# Altium PCB Wheel.PcbDoc
Units mm, origin at the board's own origin, x right, y up, seen from the top; angles counter-clockwise.
Board outline 32.65 x 20.4 mm, 2 copper layers (Top Layer, Bottom Layer), stack 0.571 mm thick; 51 components, 39 nets, 228 pads, 57 vias.
Unrouted connection lines stored in the file: 1.
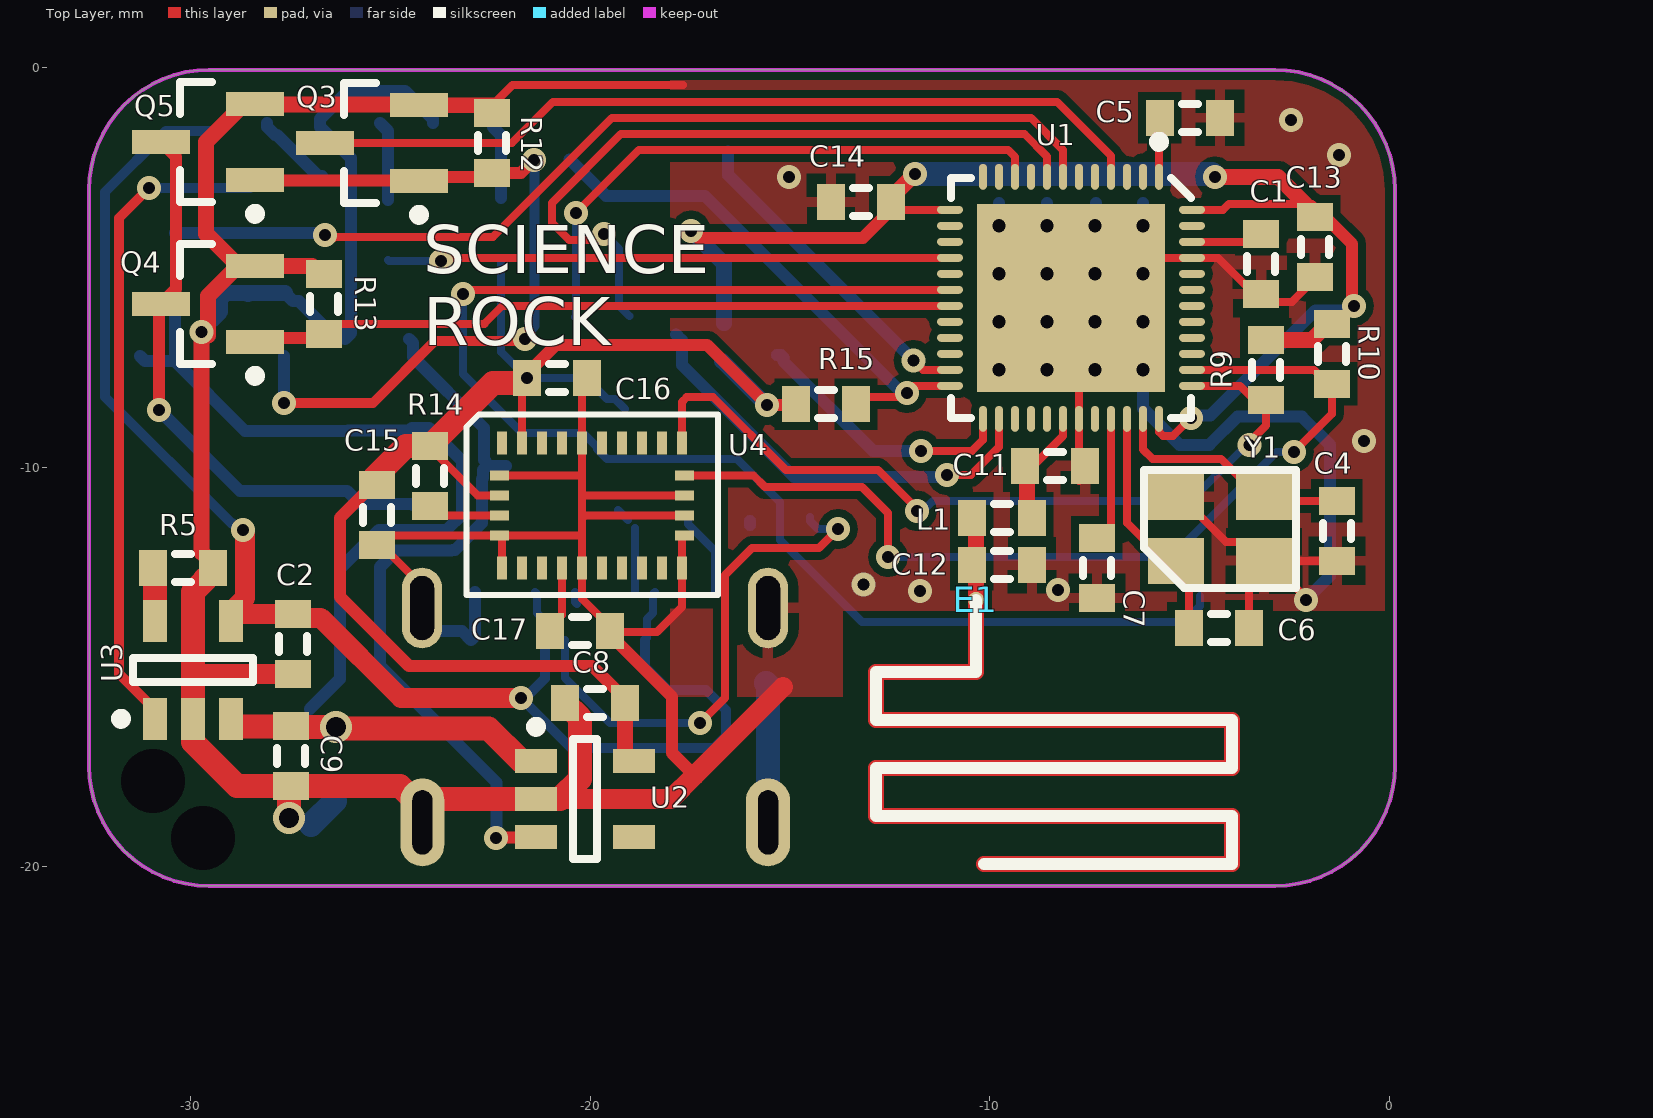
[diagram p0: Top Layer view]
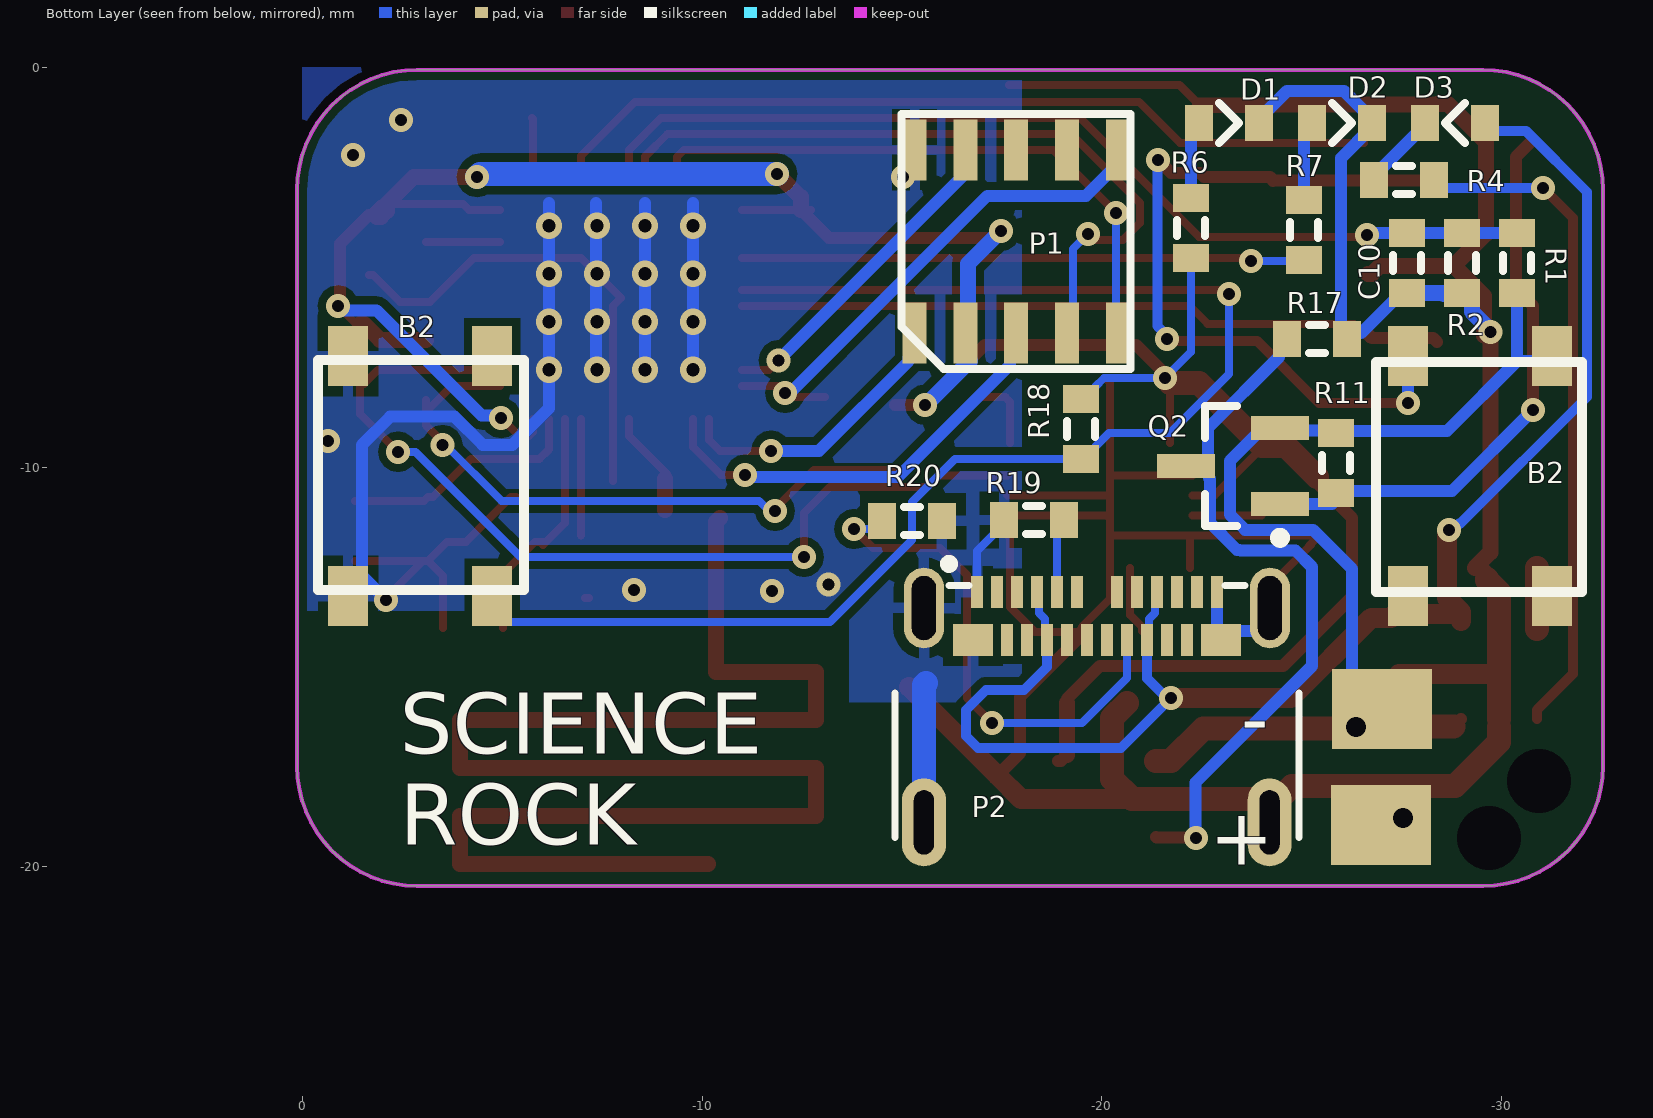
[diagram p1: Bottom Layer view, seen from below]
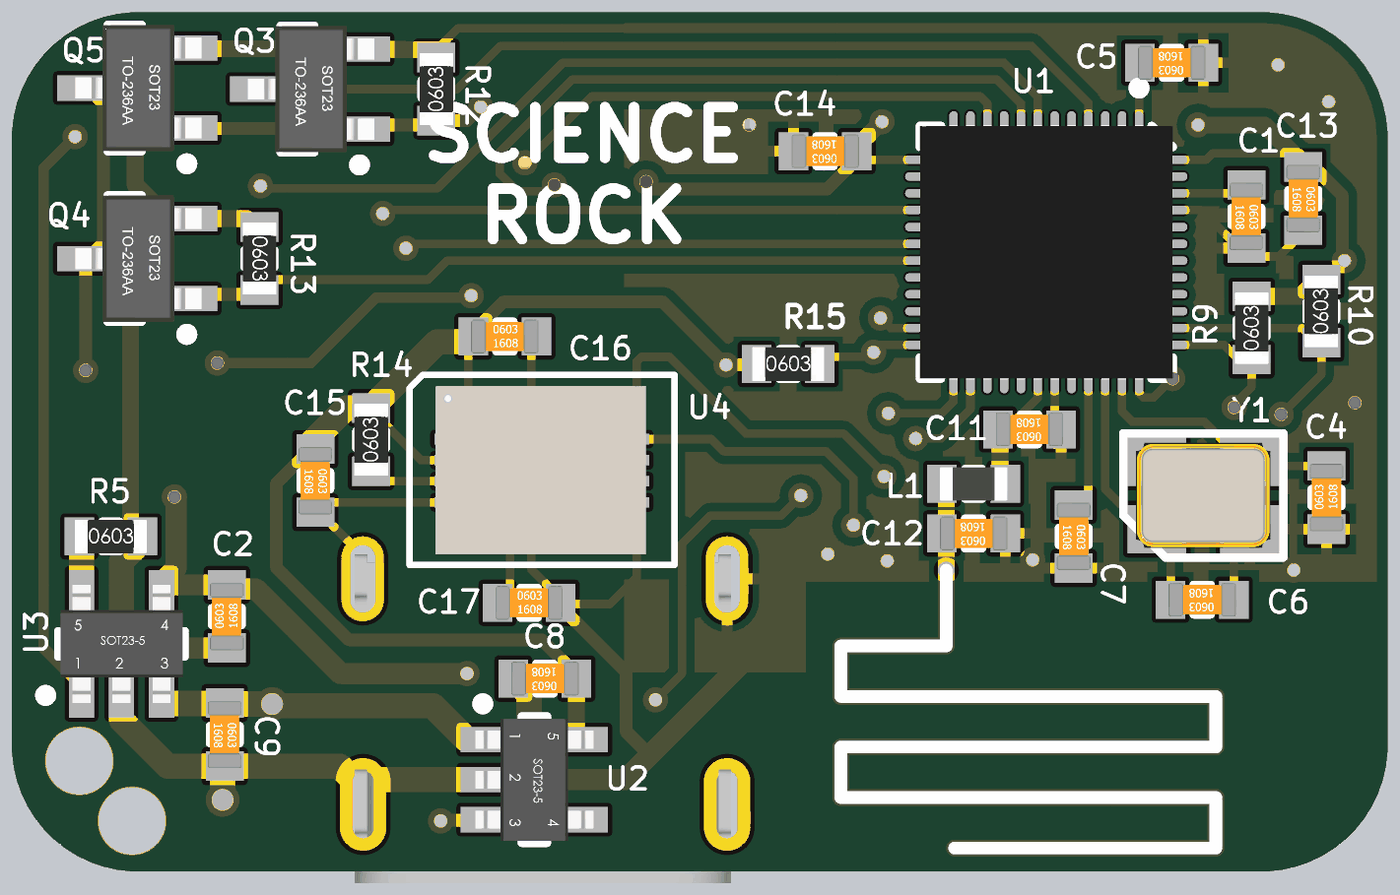
[diagram p2: 3D render of the assembled board from above, using the file's embedded part models]
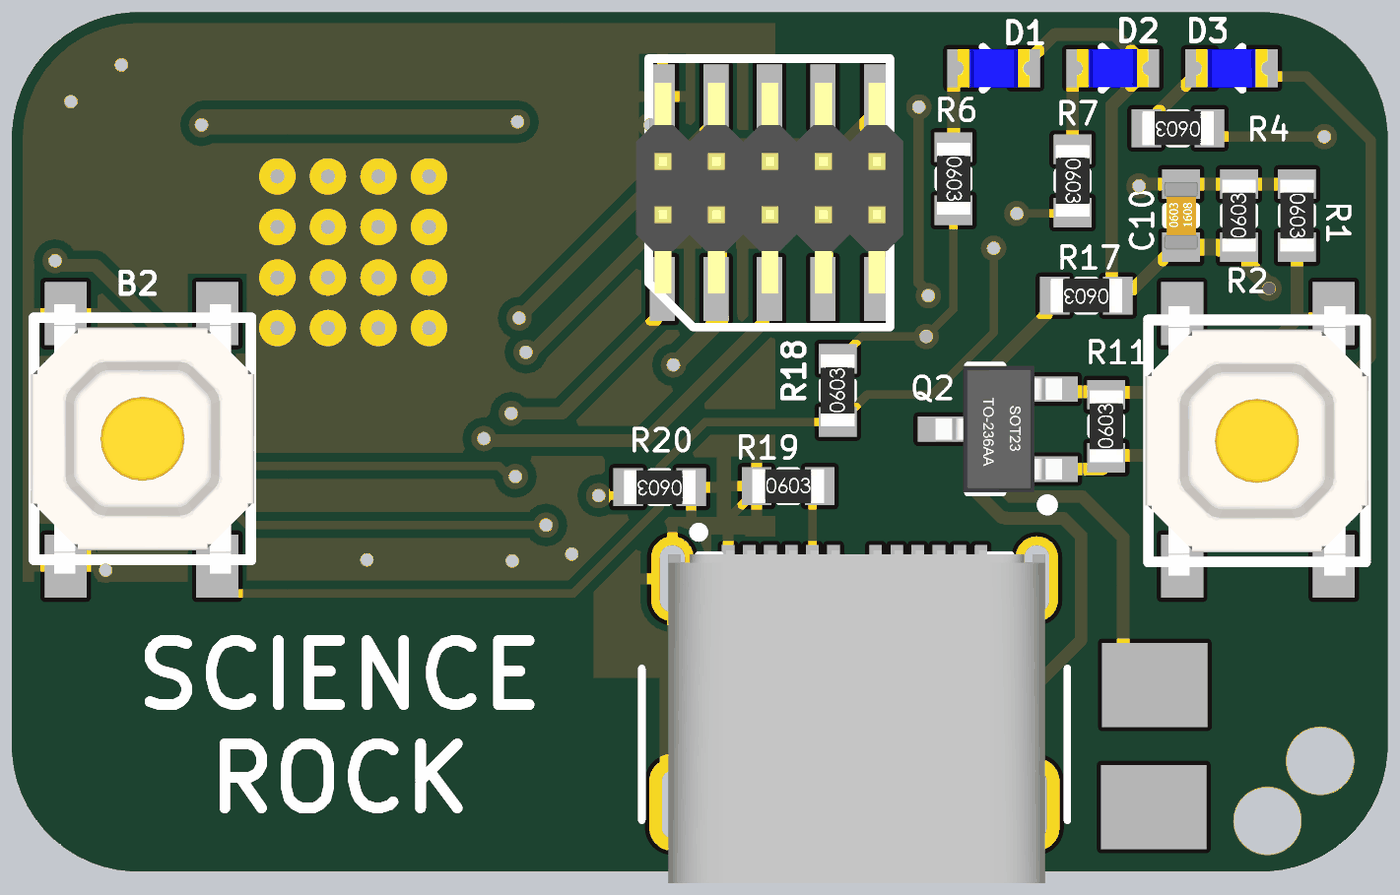
[diagram p3: 3D render of the assembled board from below, using the file's embedded part models]

## Layer stack, top to bottom
Top Solder: solder mask 0.0102, Solder Resist, Dk 3.5
Top Layer: signal copper 0.0356
Dielectric 1: dielectric 0.5, FR-4, Dk 4.8
Bottom Layer: signal copper 0.0356
Bottom Solder: solder mask 0.0102, Solder Resist, Dk 3.5

## Board outline
-29.525,-20.475 cw(c-29.525,-17.475) -32.525,-17.475 -32.525,-3.07 cw(c-29.525,-3.07) -29.525,-0.07 -2.875,-0.07 cw(c-2.875,-3.07) 0.125,-3.07 0.125,-17.475 cw(c-2.875,-17.475) -2.875,-20.475 -20.775,-20.475

## Design rules (kind name [scope] priority, off if disabled: settings)
Clearance [All] p1: gap=0.2 ignorepadtopadclearanceinfootprint=FALSE except(0: Arc-Hole Track-Hole SMDPad-Hole THPad-Hole Via-Hole Fill-Hole Poly-Hole Region-Hole Text-Hole)
ComponentClearance [All] p1: gap=-10 collisioncheckmode=3 verticalgap=0.254 showdistances=FALSE
PlaneConnect [All] p1: pad.planeconnectstyle=Relief pad.reliefexpansion=0.508 pad.reliefentries=4 pad.reliefconductorwidth=0.254 pad.reliefairgap=0.15 via.planeconnectstyle=Direct via.reliefexpansion=0.508 via.reliefentries=4 via.reliefconductorwidth=0.254 via.reliefairgap=0.15
PolygonConnect [All] p1: thpad.connectstyle=Relief thpad.reliefconductorwidth=0.254 thpad.reliefentries=4 thpad.polygonreliefangle="90 Angle" thpad.airgapwidth=0.254 smdpad.connectstyle=Relief smdpad.reliefconductorwidth=0.254 smdpad.reliefentries=4 smdpad.polygonreliefangle="90 Angle" smdpad.airgapwidth=0.254 via.connectstyle=Direct via.reliefconductorwidth=0.254 via.reliefentries=4 via.polygonreliefangle="90 Angle" via.airgapwidth=0.254
RoutingVias [All] p1: holewidth=3 width=1.27 viastyle="Through Hole" minholewidth=0.3 minwidth=0.9 maxholewidth=3 maxwidth=3
SolderMaskExpansion [All] p1: expansion=0.102 istentingtop=FALSE
Width [All] p1: maxlimit=2 minlimit=0.2 preferedwidth=0.3 minimp=50.000000 maximp=50.000000 favimp=50.000000
28 further rules are at their usual default settings.

## Components (designator, comment, footprint, x,y, rotation, side; value= is the part's Value field where it differs from the comment)
B2 "LEFT" Button_thin -2.95,-10.225 r0 bottom
B2 "RIGHT" Button_thin -29.45,-10.225 r180 bottom
C1 "ceram" cap_0603 -3.225,-5.67 r270 top value="1 uF"
C2 "ceram" cap_0603 -27.425,-13.67 r90 top value=4.7uF
C4 "ceram" cap_0603 -1.325,-10.845 r90 top value="12 pF"
C5 "ceram" cap_0603 -5.75,-1.27 r180 top value="0.1 uF"
C6 "ceram" cap_0603 -5.025,-14.02 r180 top value="12 pF"
C7 "ceram" cap_0603 -7.325,-13.27 r270 top value="0.1 uF"
C8 "ceram" cap_0603 -20.625,-15.895 r180 top value="4.7 uF"
C9 "ceram" cap_0603 -27.475,-17.975 r270 top value="4.7 uF"
C10 "ceram" cap_0603 -27.625,-4.15 r90 bottom value=0.1uF
C11 "ceram" cap_0603 -9.125,-9.975 r180 top value="0.8 pF"
C12 "ceram" cap_0603 -10.45,-12.448 r180 top value="1.2 pF"
C13 "ceram" cap_0603 -1.875,-5.245 r270 top value="1 uF"
C14 "ceram" cap_0603 -13.975,-3.37 r180 top value="1 uF"
C15 "ceram" cap_0603 -25.325,-11.945 r270 top value="0.1 uF"
C16 "ceram" cap_0603 -20.075,-7.77 r0 top value="6.8 nF"
C17 "ceram" cap_0603 -19.5,-14.095 r0 top value="0.1 uF"
D1 "led_0603" led_0603 -23.175,-1.4 r180 bottom value=Red
D2 "Blue" led_0603 -26,-1.4 r180 bottom
D3 "Yellow" led_0603 -28.825,-1.4 r0 bottom
E1 "Antenna" WBx5_ANT -13.675,-13.595 r0 top
L1 "Ind" "IND SMD 0603" -8.95,-11.27 r0 top value="3.9 nH"
P1 "Jtag" FTSH-105-01-F-DV-K -15.315,-6.645 r180 bottom
P2 "USB_C" USB_C_FULL -15.55,-13.525 r180 bottom
Q2 "sot23" sot23 -23.275,-9.97 r90 bottom
Q3 "sot23" sot23 -25.45,-1.895 r90 top
Q4 "sot23" sot23 -29.55,-5.92 r90 top
Q5 "sot23" sot23 -29.55,-1.87 r90 top
R1 "Res3" res_0603 -30.375,-5.65 r270 bottom value=300K
R2 "Res3" res_0603 -29,-4.15 r90 bottom value=300K
R4 "res_0603" res_0603 -26.8,-2.825 r0 bottom value=3K3
R5 "res_0603" res_0603 -29.425,-12.52 r0 top value=3K3
R6 "res_0603" res_0603 -22.225,-4.775 r270 bottom value=3K3
R7 "res_0603" res_0603 -25.05,-4.825 r270 bottom value=3K3
R9 "res_0603" res_0603 -3.1,-6.82 r90 top value=10K
R10 "res_0603" res_0603 -1.45,-6.42 r90 top value=10K
R11 "Res3" res_0603 -25.85,-9.15 r90 bottom value=300K
R12 "Res3" res_0603 -22.45,-1.145 r90 top value=100K
R13 "Res3" res_0603 -26.65,-6.67 r270 top value=300K
R14 "res_0603" res_0603 -24,-9.47 r90 top value=10K
R15 "res_0603" res_0603 -13.35,-8.425 r0 top value=3K3
R17 "Res3" res_0603 -24.625,-6.8 r0 bottom value=300K
R18 "res_0603" res_0603 -19.475,-8.3 r90 bottom value=10K
R19 "res_0603" res_0603 -19.05,-11.325 r180 bottom value=5K1
R20 "res_0603" res_0603 -14.5,-11.35 r0 bottom value=5K1
U1 "nRF52832-QFAAE0" QFN48N -7.975,-5.77 r270 top
U2 "AP7343-33W5-7" sot23-5 -20.125,-18.295 r0 top
U3 "Charger" sot23-5 -29.925,-15.07 r90 top
U4 "BNO-055" LGA-28 -17.7,-9.395 r0 top
Y1 "Crystal Oscillator" TSX-3225 -5.35,-12.345 r0 top value="32 MHz"

## Footprints (in the part's own frame and the unit in brackets; to place one, negate y for a bottom-side part, rotate by r counter-clockwise, add the part's x,y. Pads: shape width x height; smd on the part's side, far side on the other; paste and mask are expansions set on the pad)
Button_thin [mm]
  rect 1x1.5 smd: 1(-1.8,-3) 1(-1.8,3) 2(1.8,-3) 2(1.8,3)
  silkscreen extent -2.6,-2.9 2.55,2.85, body extent -2.67,-3.22 2.63,3.18, height 1.5
cap_0603 [mm]
  rect 0.7x0.9 smd: 1(0,0) 2(-1.5,0)
  silkscreen extent -0.95,-0.35 -0.55,0.35, body extent -1.55,-0.4 0.05,0.4, height 0.8
FTSH-105-01-F-DV-K [mm] "cc1310 Jtag 10 pin header"
  rect 0.6x1.524 smd: 1(0,0) 2(0,4.575) 3(1.27,0) 4(1.27,4.575) 5(2.54,0) 6(2.54,4.575) 7(3.81,0) 8(3.81,4.575) 9(5.08,0) 10(5.08,4.575)
  silkscreen extent -0.33,-0.9 5.4,5.48, body extent -0.63,-0.1 5.72,4.9, height 3.9
"IND SMD 0603" [mm]
  rect 0.7x0.9 smd: 1(0,0) 2(-1.5,0)
  silkscreen extent -0.95,-0.35 -0.55,0.35, body extent -1.55,-0.4 0.05,0.4, height 0.8
led_0603 [mm]
  rect 0.7x0.9 smd: 1(0.752,0) 2(-0.748,0)
  silkscreen extent -0.25,-0.5 0.25,0.5, body extent -0.85,-0.45 0.85,0.45, height 0.9
LGA-28 [mm]
  rect 0.25x0.575 smd: 1(-4.5,0) 6(-4.5,-3.125) 7(-4,-3.125) 8(-3.5,-3.125) 9(-3,-3.125) 10(-2.5,-3.125) 11(-2,-3.125) 12(-1.5,-3.125) 13(-1,-3.125) 14(-0.5,-3.125) 15(0,-3.125) 20(0,0) 21(-0.5,0) 22(-1,0) 23(-1.5,0) 24(-2,0) 25(-2.5,0) 26(-3,0) 27(-3.5,0) 28(-4,0)
  rect 0.475x0.25 smd: 2(-4.562,-0.813) 3(-4.562,-1.313) 4(-4.562,-1.813) 5(-4.562,-2.313) 16(0.062,-2.313) 17(0.062,-1.813) 18(0.062,-1.313) 19(0.062,-0.813)
  silkscreen extent -5.39,-3.8 0.9,0.71, body extent -4.78,-3.55 0.23,0.45, height 1.12
QFN48N [mm] "NRF52"
  oval 0.65x0.2 smd mask+0.05: 1(-3.025,2.2) 2(-3.025,1.8) 3(-3.025,1.4) 4(-3.025,1) 5(-3.025,0.6) 6(-3.025,0.2) 7(-3.025,-0.2) 8(-3.025,-0.6) 9(-3.025,-1) 10(-3.025,-1.4) 11(-3.025,-1.8) 12(-3.025,-2.2) 25(3.025,-2.2) 26(3.025,-1.8) 27(3.025,-1.4) 28(3.025,-1) 29(3.025,-0.6) 30(3.025,-0.2) 31(3.025,0.2) 32(3.025,0.6) 33(3.025,1) 34(3.025,1.4) 35(3.025,1.8) 36(3.025,2.2)
  oval 0.2x0.65 smd mask+0.05: 13(-2.2,-3.025) 14(-1.8,-3.025) 15(-1.4,-3.025) 16(-1,-3.025) 17(-0.6,-3.025) 18(-0.2,-3.025) 19(0.2,-3.025) 20(0.6,-3.025) 21(1,-3.025) 22(1.4,-3.025) 23(1.8,-3.025) 24(2.2,-3.025) 37(2.2,3.025) 38(1.8,3.025) 39(1.4,3.025) 40(1,3.025) 41(0.6,3.025) 42(0.2,3.025) 43(-0.2,3.025) 44(-0.6,3.025) 45(-1,3.025) 46(-1.4,3.025) 47(-1.8,3.025) 48(-2.2,3.025)
  rect 4.7x4.7 smd: 49(0,0)
  silkscreen extent -4.02,-3 3,3, body extent -3.02,-3.02 3.02,3.02, height 1
res_0603 [mm]
  rect 0.7x0.9 smd: 1(0,0) 2(-1.5,0)
  silkscreen extent -0.95,-0.35 -0.55,0.35, body extent -1.6,-0.4 0.1,0.4, height 0.56
sot23 [mm]
  rect 0.6x1.45 smd: 1(-0.95,-1.175) 2(0.95,-1.175) 3(0,1.175)
  silkscreen extent -1.92,-1.3 1.5,0.7, body extent -1.5,-1.52 1.5,1.48, height 1.3
sot23-5 [mm]
  rect 1.05x0.6 smd: 1(-1.225,0.95) 2(-1.225,0) 3(-1.225,-0.95) 4(1.225,-0.95) 5(1.225,0.95)
  silkscreen extent -1.35,-1.5 0.3,1.92, body extent -1.4,-1.45 1.4,1.45, height 1.14
TSX-3225 [mm] "quartz 24MHz  TSX-3225 24.0000MF15X-AC3"
  rect 1.4x1.15 smd: 1(0,0) 2(2.2,1.6) 3(0,1.6) 3(2.2,0)
  silkscreen extent -0.8,-0.67 3,2.27, body extent -0.5,-0.45 2.7,2.05, height 0.6
USB_C_FULL [mm]
  rect 0.3x0.8 smd: A1(1.325,0.4) A2(1.825,0.4) A3(2.325,0.4) A4(2.825,0.4) A5(3.325,0.4) A6(3.825,0.4) A7(4.825,0.4) A8(5.325,0.4) A9(5.825,0.4) A10(6.325,0.4) A11(6.825,0.4) A12(7.325,0.4) B2(6.575,-0.8) B3(6.075,-0.8) B4(5.575,-0.8) B5(5.075,-0.8) B6(4.575,-0.8) B7(4.075,-0.8) B8(3.575,-0.8) B9(3.075,-0.8) B10(2.575,-0.8) B11(2.075,-0.8)
  rect 1x0.8 smd: B1(7.425,-0.8) B12(1.225,-0.8)
  oval 1.1x2.2 hole 0.5 slot 1.6 at 90 deg: P1(0,-5.36) P1(8.64,-5.36)
  oval 1.008x2.016 hole 0.6 slot 1.6 at 90 deg: P1(0,0) P1(8.65,0)
  silkscreen extent -0.72,-5.73 9.38,1.2, body extent -0.09,-7.23 8.85,0.67, height 3.23
WBx5_ANT [mm] "WBx5_ANT"
  round 0.4 smd: 1(3.325,0.275)
  Top Layer pour cut-out: 0,-10.973 0,0 19,0 19,-11.037
  Top Layer lines w0.4: 3.325,0.275 3.325,-1.525 0.825,-1.525 0.825,-2.725 9.725,-2.725 9.725,-3.925 0.825,-3.925 0.825,-5.125 9.725,-5.125 9.725,-6.325 3.525,-6.325
  Bottom Layer pour cut-out: 0,-10.973 0,0 19,0 19,-11.037

## Part data
B2 B2: library part "tact button", "FSM6JH"
C1 C2 C4 C5 C6 C7 C8 C9 C10 C11 C12 C13 C14 C15 C16 C17: library part cap_0603
D1: "led"
D2 D3: library part led_0603, "led"
E1: "Generic Antenna", LatestRevisionDate=17-Jul-2002, LatestRevisionNote="Re-released for DXP Platform.", PackageReference=PIN1, Published=24-Mar-1999, Publisher="Altium Limited"
L1: library part "Ind. SMD", "Inductance"
P1: library part "cc1310 jtag header", "FTSH-105-01-F-DV-K", Part=FTSH-105-01-F-DV-K, Part2=PLLD1.27-10S
P2: library part USB_C_FULL, Part=1054500101
Q2: library part "P_ch sot23", Part=IRLML2244TRPBF
Q3 Q4 Q5: library part "N_ch sot23", Part=IRLML2402TRPBF
R1 R2 R11 R12 R13 R17: "Resistor", LatestRevisionDate=29-May-2009, LatestRevisionNote="IPC-7351 Footprint Added.", PackageDescription="Chip Resistor", PackageReference=J1-0603, Published=8-Jun-2000, Publisher="Altium Limited"
R4 R5 R6 R7 R9 R10 R14 R15 R18 R19 R20: "resistor"
U1: library part nRF52832_QFAA, "Multi-protocol Bluetooth Low Energy, ANT and 2.4GHz proprietary system-on-chip", Manufacturer="Nordic Semiconductor", Part number IPS=N.A., Artikkelnr Noca=N.A., ComponentLink1Description=Datasheet, ComponentLink2Description="Supplier link", Footprint Doc=QFN-48, LatestRevisionDate=2017-10-18, Manufacturer Part Number=nRF52832-QFAAE0, Part=nRF52832-QFAAE0, Pin Count=48, Published=2017-10-18, Publisher="Nordic Semiconductor", Supplier 1="Nordic Semiconductor", Supplier Part Number 1=nRF52832-QFAAE0
U2: library part "LDO reg", Part=AP7343-33W5-7
U3: library part LTC4054ES5, "Li-ion Charge Controller", Part=LTC4054ES5
U4: "IMU", Part=BNO-055
Y1: library part OSC_3pin, Part=TSX-322532.0000MF10Z-W6

## Free pads (board coordinates)
  rect 2.5x2 smd far side: 2(-27,-16.045) 2(-26.975,-18.945)
  round 0 hole 1.6: ""(-30.925,-17.85) ""(-29.675,-19.275)

## Via types
v1: diameter 0.6, hole 0.3, Top Layer to Bottom Layer, tented both sides, 39 vias
v2: diameter 0.66, hole 0.33, Top Layer to Bottom Layer, 16 vias
v3: diameter 0.8, hole 0.5, Top Layer to Bottom Layer, tented both sides, 2 vias

## Nets (pads, with @x,y where several pads share a name; then routed paths per layer and width w, separated by ;. In a path a pad name is that pad's centre, name@x,y a point inside that pad or via, vN(x,y) a via of type N, cw(c..) or ccw(c..) an arc to the next point about the centre after c; other vN are vias at no path point)
3v3: C8.2 C13.2 C14.2 C15.2 C16.2 P1.3 R6.1 R9.1 R10.1 R14.1 R15.2 R18.1 U1.13 U1.36 U1.48 U2.5 U4.3 U4.28 | length 73.7
  Top Layer w0.2: C15.2@-25.575,-10.345 -25.475,-10.345 C15.2@-25.375,-10.245 ; R14.1@-23.875,-9.645 -22.812,-10.708 U4.3 ; U4.28 -21.7,-7.995 -21.575,-7.87 v1(-21.575,-7.77) C16.2@-21.7,-7.895 ; C14.2@-12.725,-3.57 -12.475,-3.57 U1.13 ; U1.36 -5.775,-9.12 -5.675,-9.22 -5.425,-9.22 v1(-4.975,-8.77) ; U1.48 -4.175,-3.57 -4.025,-3.42 -2.125,-3.42 -1.95,-3.42 C13.2@-1.675,-3.695 ; R10.1 -1.35,-6.42 v1@-0.95,-6.02
  Top Layer w0.3: C15.2@-25.425,-10.445 -26.25,-11.27 -26.25,-13.25 -24.525,-14.975 -19.945,-14.975 -19.125,-15.795 C8.2 ; v1(-21.575,-7.77) -21.575,-7.67 -20.855,-6.95 -17.07,-6.95 v1(-15.575,-8.445) R15.2@-14.825,-8.445 ; U2.5@-19.125,-17.195 -18.975,-17.345 U2.5 ; v1(-17.475,-4.095) -17.3,-4.27 -13.175,-4.27 C14.2@-12.475,-3.57 ; C13.2@-1.675,-3.695 -0.95,-4.42 v1@-0.95,-6.02
  Top Layer w0.4: R14.1@-24.1,-9.47 R14.1 ; U2.5@-19.125,-17.195 C8.2 ; C14.2@-12.475,-3.57 C14.2 C14.2@-12.475,-3.27 ; C14.2@-12.475,-3.245 C14.2@-12.475,-3.27 ; v1(-11.875,-2.67) C14.2@-12.475,-3.27 ; v1(-4.375,-2.745) -2.8,-2.745 -2.125,-3.42 -2.125,-3.595 -1.975,-3.745 C13.2 ; R9.1 -1.95,-6.82 -1.55,-6.42 R10.1
  Top Layer w0.6: C15.2@-25.375,-10.245 -24.6,-9.47 R14.1@-24.1,-9.47 ; R14.1 -22.425,-7.895 C16.2@-21.7,-7.895
  Bottom Layer w0.2: R6.1 -22.225,-7.12 v1(-21.575,-7.77) -20.055,-7.77 -19.825,-8 -19.825,-8.05 -19.575,-8.3 -19.375,-8.3 R18.1@-19.125,-8.55
  Bottom Layer w0.3: v1(-4.975,-8.77) -4.918,-8.713 -4.493,-8.713 -1.863,-6.083 v1@-0.95,-6.083
  Bottom Layer w0.4: v1(-17.475,-4.095) -16.65,-4.92 P1.3@-16.65,-6.403 ; P1.3@-16.7,-7.345 -15.6,-8.445 v1(-15.575,-8.445)
  Bottom Layer w0.6: v1(-11.875,-2.67) -4.45,-2.67 v1(-4.375,-2.745)
  other v1: -0.9,-5.97
5v: C2.1 D3.2 P2.A4 P2.A9 P2.B4 P2.B9 U3.4 | length 37.5
  Top Layer w0.5: U3.4 -28.975,-13.62 -28.625,-13.27 -28.625,-11.652 -28.67,-11.607 v1(-28.67,-11.58) ; U3.4@-28.925,-13.67 C2.1 ; C2.1@-27.325,-13.67 -27.225,-13.77 -26.732,-13.77 -24.727,-15.775 v1(-21.725,-15.775)
  Bottom Layer w0.2: v1(-21.725,-15.775) v1@-21.617,-15.775 ; P2.A9 -21.325,-13.175 -21.325,-13.651 -21.175,-13.801 -21.175,-13.908 -21.175,-14.275 P2.B4 ; P2.B9 -18.575,-14.275 -18.575,-13.799 -18.425,-13.649 -18.425,-13.175 P2.A4
  Bottom Layer w0.25: D3.2@-29.45,-1.595 -30.595,-1.595 -32.125,-3.125 -32.125,-8.25 -28.959,-11.416 -28.929,-11.416 -28.764,-11.58 v1(-28.67,-11.58) ; v1@-21.648,-15.852 -20.475,-17.025 -16.9,-17.025 -16.6,-16.725 -16.6,-16.075 -17.1,-15.575 -18.05,-15.575 -18.625,-15 P2.B9 ; v1@-21.617,-15.775 -21.125,-15.283 P2.B4
ADC: C10.1 R1.2 R2.1 U1.7 | length 24
  Top Layer w0.2: v1@-26.4,-4.27 -26.38,-4.25 -22.43,-4.25 -19.45,-1.27 -8.976,-1.27 -8.175,-2.072 U1.7
  Bottom Layer w0.3: R1.2 R2.1 v1@-26.804,-4.15
  other v1: -26.625,-4.195
Batt: B2.2@-31.25,-7.225 B2.2@-31.25,-13.225 C9.2 pad.2@-27,-16.045 Q2.2 R1.1 R11.1 U2.1 U3.3 | length 27.7
  Top Layer w0.3: U3.3 U3.3@-28.783,-16.487
  Top Layer w0.6: U3.3@-28.783,-16.487 C9.2@-27.442,-16.487 ; C9.2@-27.455,-16.5 v3(-26.35,-16.5) -26.313,-16.537 -22.538,-16.537 -21.73,-17.345 U2.1
  Bottom Layer w0.3: B2.2@-31.25,-7.225 -31.125,-7.35 -30.375,-7.35 ; R1.1 -30.375,-7.35 ; pad.2@-27,-16.045 -26.25,-15.295 -26.25,-12.545 -25.275,-11.57 -23.58,-11.57 -23.2,-11.19 -23.2,-9.845 -24.025,-9.02 Q2.2 -24.515,-9.085 -26.048,-9.085 -26.058,-9.095 -28.63,-9.095 -30.375,-7.35
Btn_left: B2.1@-4.75,-7.225 B2.1@-4.75,-13.225 R18.2 U1.18 | length 36.2
  Top Layer w0.2: v1(-23.175,-5.675) -23.067,-5.675 -22.962,-5.57 U1.18
  Bottom Layer w0.2: v1(-23.175,-5.675) -23.175,-7.675 -21.7,-9.15 -20.175,-9.15 -19.825,-9.5 -19.825,-9.55 -19.575,-9.8 -16.326,-9.8 -15.25,-10.876 -15.25,-11.824 -13.199,-13.875 -5.15,-13.875 -4.75,-13.475 B2.1@-4.75,-13.225
EN: Q2.3 R17.1 U2.3 | length 17.8
  Top Layer w0.3: v1(-22.35,-19.275) -22.335,-19.26 -21.365,-19.26 U2.3
  Bottom Layer w0.3: R17.1@-24.525,-6.795 -24.425,-6.895 -24.425,-7.25 -22.645,-9.03 -22.645,-9.82 Q2.3@-22.615,-9.85 ; v1@-22.343,-19.268 -22.343,-17.882 -25.25,-14.975 -25.25,-12.5 -24.842,-12.092 -23.459,-12.092 -23.437,-12.07 -23.373,-12.07 -22.7,-11.397 -22.7,-10.296 -22.675,-10.271 -22.675,-10.07 -22.575,-9.97 -22.325,-9.97 Q2.3
GND: B2.2@-1.15,-7.225 B2.2@-1.15,-13.225 C1.1 C2.2 C4.2 C5.2 C6.2 C7.1 C8.1 C9.1 C10.2 C11.2 C12.2 C13.1 C14.1 C15.1 C16.1 C17.1 D1.1 D2.1 P1.2 P2.A1 P2.A12 P2.B1 P2.B12 P2.P1 pad.2@-26.975,-18.945 Q3.2 Q4.2 Q5.2 R2.2 R5.1 R12.1 R13.2 R17.2 R19.2 R20.2 U1.2 U1.31 U1.45 U2.2 U3.2 U4.2 U4.5 U4.6 U4.10 U4.15 U4.16 U4.17 U4.18 U4.25 Y1.3 | length 155.8
  Top Layer w0.2: C15.1@-25.225,-11.945 -24.2,-12.97 P2.P1@-24.2,-13.525 ; C15.1@-25.175,-11.97 -25.438,-11.708 U4.5 U4.5@-22.225,-11.708 ; R12.1@-22.448,-0.962 -21.936,-0.45 -17.675,-0.45 ; U4.2 -20.237,-10.208 -20.2,-10.245 ; U4.6 -22.2,-11.733 U4.5@-22.225,-11.708 ; C16.1 -20.2,-7.895 U4.25 -20.2,-10.245 ; C17.1@-19.5,-14.125 -18.325,-14.125 -17.7,-13.5 U4.15 -17.7,-11.733 -17.675,-11.708 U4.16 ; C17.1 -19.5,-13.995 -20.2,-13.295 U4.10 -20.2,-11.708 ; U4.17 -20.113,-11.208 -20.2,-11.295 ; U4.18 -20.162,-10.708 -20.2,-10.67 ; C11.2@-7.775,-10.345 U1.31 -7.775,-5.97 -7.975,-5.77 v2(-7.375,-5.17) -6.975,-4.77 U1.45 -4.3,-4.77 -3.2,-5.87 -2.45,-5.87 -1.775,-5.195 C13.1@-1.675,-5.195 ; C7.1@-7.175,-13.27 C7.1@-7.075,-13.27 ; Y1.3@-5.35,-10.745 -5.225,-10.745 -4.1,-11.87 -3.625,-11.87 Y1.3@-3.15,-12.345 ; C6.2 -3.525,-12.72 Y1.3@-3.15,-12.345 ; v1(-2.1,-13.32) -2.1,-13.27 Y1.3@-3.025,-12.345 ; C4.2 Y1.3@-3.025,-12.345 ; U4.5@-22.225,-11.708 -20.2,-11.708 ; -20.2,-11.708 -20.2,-11.295 ; -20.2,-11.295 -20.2,-10.67 ; -20.2,-10.67 -20.2,-10.245 ; Y1.3@-3.15,-12.345 Y1.3@-3.025,-12.345
  Top Layer w0.3: R5.1@-29.625,-12.795 -29.625,-12.62 R5.1@-29.425,-12.42 ; C17.1 -19.5,-14.125 -19.5,-14.195 -17.95,-15.745 -17.95,-17.15 -17.387,-17.712 -17.375,-17.725
  Top Layer w0.4: v1@-29.62,-6.667 -29.658,-6.667 -29.712,-6.721 -29.712,-12.133 -29.425,-12.42 R5.1@-29.325,-12.52 ; v1@-29.55,-6.707 -29.55,-5.72 Q4.2@-28.8,-4.97 ; R13.2 -26.75,-5.17 -26.95,-4.97 Q4.2 Q4.2@-28.8,-4.97 ; R12.1@-22.448,-0.962 Q3.2 -24.288,-0.933 -28.362,-0.933 Q5.2 -28.65,-0.92 -29.6,-1.87 -29.6,-4.17 Q4.2@-28.8,-4.97
  Top Layer w0.5: -29.925,-15.07 -29.825,-15.17 C2.2 ; -20.744,-18.295 -17.97,-18.295 -17.387,-17.712 -15.175,-15.5
  Top Layer w0.6: U3.2@-29.925,-16.495 -29.925,-16.877 -28.827,-17.975 C9.1 ; U3.2 -29.925,-15.07 -29.925,-13.12 -29.625,-12.82 R5.1@-29.625,-12.795 ; v3(-27.525,-18.775) -27.525,-18.025 C9.1 ; P2.P1@-24.275,-18.45 -24.75,-17.975 C9.1 ; P2.P1@-24.19,-18.885 -24.19,-18.526 -23.959,-18.295 U2.2 -20.745,-18.295 ; -20.744,-18.295 -20.25,-17.801 -20.25,-16.27 C8.1
  Bottom Layer w0.2: R19.2@-17.51,-11.285 R19.2 -17.55,-11.425 -16.875,-12.1 P2.A1
  Bottom Layer w0.3: C10.2 -27.425,-5.85 -27.28,-5.85 -27.005,-6.125 -26.48,-6.65 R17.2@-25.975,-6.65 ; R17.2 R17.2@-25.975,-6.65 ; P2.P1@-24.2,-13.525 -24.2,-13.775 -23.873,-14.102 -23.198,-14.102 P2.B1 -22.875,-14.225 P2.A12 ; D1.1 -23.927,-1.3 -24.627,-0.6 -26.052,-0.6 -26.752,-1.3 D2.1 -26.752,-1.5 -25.975,-2.277 R17.2@-25.975,-6.65 ; R20.2@-16,-11.45 R20.2 ; v2(-9.775,-7.57) v2(-9.775,-6.37) v2(-9.775,-5.17) v2(-9.775,-3.97) -9.775,-3.395 ; v2(-8.575,-7.57) v2(-8.575,-6.37) v2(-8.575,-5.17) v2(-8.575,-3.97) -8.575,-3.395 ; v2(-7.375,-7.57) -7.352,-7.547 -7.352,-3.395 ; -6.175,-3.395 v2(-6.175,-3.97) v2(-6.175,-5.17) v2(-6.175,-6.37) v2(-6.175,-7.57) -6.175,-8.533 -5.263,-9.445 -4.518,-9.445 -3.813,-8.74 -2.205,-8.74 -1.5,-9.445 -1.5,-12.72 v1(-2.1,-13.32)
  Bottom Layer w0.4: v1(-29.712,-6.629) -29.712,-6.575 -29.25,-6.113 -29.25,-5.8 -29.1,-5.65 R2.2 -28.525,-5.65 ; R2.2@-28.55,-5.675 -28.525,-5.65 ; C10.2 -28.525,-5.65
  Bottom Layer w0.6: pad.2@-26.975,-18.945 pad.2@-26.38,-18.35 ; -15.6,-15.4 -15.55,-15.45 P2.P1@-15.55,-18.885
  other v1: -11.75,-13.1 -8.3,-13.075 -13.163,-12.938 -0.65,-9.345 -15.024,-2.745 -1.275,-2.195 -2.475,-1.32
  other v2: -7.375,-6.37 -7.375,-3.97
LED_CONN: R7.1 U1.16 | length 14.1
  Top Layer w0.2: v1(-23.725,-4.85) -23.617,-4.85 -23.537,-4.77 U1.16
  Bottom Layer w0.2: R7.1 -25.025,-4.85 v1(-23.725,-4.85)
NetB2_1: B2.1@-27.65,-7.225 B2.1@-27.65,-13.225 Q3.1 Q5.1 R12.2 | length 20
  Top Layer w0.25: v1(-27.65,-8.4) -25.427,-8.4 -23.873,-6.845 -21.669,-6.845 v1(-21.625,-6.801)
  Top Layer w0.3: Q5.1@-28.125,-2.97 Q5.1@-28.262,-2.833 ; Q3.1 Q3.1@-24.288,-2.833 ; v1(-21.4,-2.32) -21.725,-2.645 R12.2 -22.55,-2.745 -24.2,-2.745 Q3.1@-24.288,-2.833 ; Q5.1@-28.262,-2.833 Q3.1@-24.288,-2.833 ; Q5.1@-28.262,-2.833 -28.362,-2.833 Q5.1 -28.275,-2.82 Q5.1@-28.262,-2.833
  Bottom Layer w0.25: v1(-21.625,-6.801) -21.625,-6.714 -21.39,-6.479 -21.39,-2.33 v1(-21.4,-2.32)
  Bottom Layer w0.3: v1(-27.65,-8.4) B2.1@-27.65,-7.225
NetC1_2: C1.2 U1.46 | length 1.9
  Top Layer w0.2: U1.46 C1.2@-3.1,-4.37
NetC4_1: C4.1 U1.35 Y1.2 | length 6.1
  Top Layer w0.2: U1.35 -6.175,-9.561 -5.941,-9.795 -4.225,-9.795 -3.275,-10.745 Y1.2 -3.05,-10.845 C4.1
NetC5_1: C5.1 U1.1 | length 1.5
  Top Layer w0.2: U1.1 -5.775,-1.295 C5.1
NetC6_1: C6.1 U1.34 Y1.1 | length 6.1
  Top Layer w0.2: U1.34 -6.575,-11.395 Y1.1@-6.025,-11.945 ; -6.075,-11.87 -5.825,-11.87 Y1.1 -5.025,-12.67 C6.1
NetC7_2: C7.2 U1.33 | length 2.9
  Top Layer w0.2: C7.2@-6.975,-11.718 U1.33
NetC11_1: C11.1 L1.1 U1.30 | length 2.7
  Top Layer w0.2: C11.1@-9.075,-10.3 -9.125,-10.175 -8.175,-9.225 U1.30
  Top Layer w0.4: L1.1@-9.075,-11.075 C11.1@-9.075,-10.3
NetC12_1: C12.1 E1.1 L1.2 | length 2.1
  Top Layer w0.4: L1.2 -10.35,-11.37 E1.1
NetC17_2: C17.2 U4.9 | length 1.7
  Top Layer w0.2: C17.2 -21,-13.995 -20.7,-13.695 U4.9
NetD1_2: D1.2 R6.2 | length 2
  Bottom Layer w0.3: D1.2 -22.427,-1.5 -22.225,-1.702 R6.2
NetD2_2: D2.2 R7.2 | length 2
  Bottom Layer w0.3: D2.2 -25.052,-1.6 R7.2@-25.052,-3.325
NetD3_1: D3.1 R4.1 | length 2.1
  Bottom Layer w0.3: D3.1 -28.073,-1.5 -27.873,-1.7 -27.825,-1.7 -26.8,-2.725 R4.1 R4.1@-26.7,-2.725
NetP2_A5: P2.A5 R19.1 | length 2
  Bottom Layer w0.2: R19.1@-19.3,-11.075 R19.1 ; P2.A5 R19.1@-18.875,-11.525
NetP2_B5: P2.B5 R20.1 | length 12.9
  Top Layer w0.2: v1(-17.25,-16.4) -16.625,-15.775 -16.625,-12.7 -15.95,-12.025 -14.275,-12.025 v1(-13.8,-11.55)
  Bottom Layer w0.2: P2.B5 -20.625,-15.275 -19.5,-16.4 v1(-17.25,-16.4) ; R20.1@-14.5,-11.25 R20.1 -14.3,-11.55 v1(-13.8,-11.55)
NetQ2_1: Q2.1 Q4.3 Q5.3 R11.2 | length 14.4
  Top Layer w0.3: v1(-30.775,-8.575) -30.775,-5.97 -30.35,-5.545 -30.35,-2.245 Q5.3 Q5.3@-30.75,-1.845
  Bottom Layer w0.3: v1(-30.775,-8.575) -28.755,-10.595 -26.075,-10.595 -25.75,-10.92 Q2.1 Q2.1@-24.425,-10.945
NetR4_2: R4.2 U3.1 | length 16.8
  Top Layer w0.25: v1(-31.025,-3.025) -31.775,-3.775 -31.775,-15.17 -30.875,-16.07 U3.1
  Bottom Layer w0.25: v1(-31.025,-3.025) -28.5,-3.025 R4.2
NetR5_2: R5.2 U3.5 | length 1.5
  Top Layer w0.6: U3.5@-30.875,-14.045 R5.2@-30.875,-12.52
NetR14_2: R14.2 U4.4 | length 1.7
  Top Layer w0.2: R14.2@-23.988,-11.208 U4.4
nrf_clk: P1.1 U1.25 | length 6.8
  Top Layer w0.2: v1@-11.7,-9.595 -10.45,-9.595 -10.175,-9.32 U1.25
  Bottom Layer w0.3: P1.1@-15.325,-7.195 -15.227,-7.195 -15.165,-7.257 -15.165,-7.355 -12.925,-9.595 v1(-11.725,-9.595)
nrf_dio: P1.5 U1.26 | length 10.9
  Top Layer w0.2: v1(-11.075,-10.195) -10.475,-10.195 -9.775,-9.495 U1.26
  Bottom Layer w0.3: P1.5@-17.85,-6.683 -17.705,-6.828 -17.705,-7.445 -16.055,-9.095 -14.905,-10.245 v1@-11.075,-10.245
NRF_EN: Q4.1 R13.1 U1.19 | length 17.8
  Top Layer w0.2: R13.1@-26.674,-6.794 -26.3,-6.42 -22.644,-6.42 -22.194,-5.97 U1.19
  Top Layer w0.3: Q4.1 -28.275,-6.77 -26.75,-6.77 R13.1
nrf_prog: P1.4 U1.23 | length 8.2
  Top Layer w0.2: v1(-11.913,-7.333) -11.675,-7.57 U1.23
  Bottom Layer w0.3: P1.4@-16.55,-2.108 -16.55,-2.695 v1(-11.913,-7.333)
nrf_res: P1.10 R15.1 U1.24 | length 13
  Top Layer w0.2: R15.1@-13.075,-8.245 -12.283,-8.245 -12.183,-8.145 v1(-12.075,-8.145) -11.9,-7.97 U1.24
  Bottom Layer w0.3: P1.10@-20.512,-2.308 -19.6,-3.22 -17.133,-3.22 -12.207,-8.145 v1(-12.075,-8.145)
Rx: P1.9 U1.10 | length 14.8
  Top Layer w0.2: v1(-20.35,-3.645) -18.775,-2.07 -9.55,-2.07 -9.375,-2.245 U1.10
  Bottom Layer w0.2: P1.9@-20.375,-6.245 -20.35,-6.22 v1(-20.35,-3.645)
SCL: R10.2 U1.38 U4.19 | length 23.6
  Top Layer w0.2: U4.19 -15.917,-10.208 -15.625,-10.5 -13.2,-10.5 -12.55,-11.15 v1(-12.55,-12.25) ; U1.38 -1.9,-7.57 -1.55,-7.92 R10.2 -1.45,-8.67 v1(-2.4,-9.62)
  Bottom Layer w0.2: v1(-12.55,-12.25) -5.462,-12.25 -2.841,-9.628 -2.408,-9.628 v1(-2.4,-9.62)
SDA: R9.2 U1.37 U4.20 | length 20.5
  Top Layer w0.2: U4.20 -17.7,-8.373 -17.583,-8.255 -16.92,-8.255 -15.1,-10.075 -12.795,-10.075 v1@-11.725,-11.145 ; U1.37 -3.75,-7.97 -3.2,-8.52 R9.2@-3.1,-8.52 ; v1(-3.516,-9.455) -3.516,-9.376 -3.1,-8.961 R9.2@-3.1,-8.52 ; R9.2 R9.2@-3.1,-8.52
  Bottom Layer w0.2: v1@-11.725,-11.145 -11.425,-10.845 -4.984,-10.845 -3.594,-9.455 v1(-3.516,-9.455)
  other v1: -11.825,-11.095
Tx: P1.7 U1.8 | length 18.2
  Top Layer w0.2: v1(-19.65,-4.17) -19.8,-4.32 -20.524,-4.32 -20.95,-3.894 -20.95,-3.397 -19.224,-1.67 -9.142,-1.67 -8.575,-2.237 U1.8
  Bottom Layer w0.2: v1(-19.65,-4.17) -19.275,-4.545 -19.275,-5.97 P1.7@-19.019,-6.226
USB_M: P2.A7 | length 0.3
  Bottom Layer w0.2: P2.A7 -20.375,-13.375 P2.A7@-20.325,-13.425
USB_P: P2.A6
Vibro: U1.20
~Button: Q3.3 U1.4 | length 21.1
  Top Layer w0.2: Q3.3@-26.55,-1.895 -21.95,-1.895 -20.925,-0.87 -8.325,-0.87 -6.975,-2.22 U1.4
pads on no net: P1.6 P1.8 P2.A2 P2.A3 P2.A8 P2.A10 P2.A11 P2.B2 P2.B3 P2.B6 P2.B7 P2.B8 P2.B10 P2.B11 U1.3 U1.5 U1.6 U1.9 U1.11 U1.12 U1.14 U1.15 U1.17 U1.21 U1.22 U1.27 U1.28 U1.29 U1.32 U1.39 U1.40 U1.41 U1.42 U1.43 U1.44 U1.47 U1.49 U2.4 U4.1 U4.7 U4.8 U4.11 U4.12 U4.13 U4.14 U4.21 U4.22 U4.23 U4.24 U4.26 U4.27

## Polygon pours and split planes (outlines as drawn)
GND on Top Layer "Top Layer-GND" (solid, remove dead copper, pour order 0): 0,0.13 0,-15.745 -18,-15.745 -18,0.13
GND on Bottom Layer "Bottom Layer-GND" (solid, pour order 2): 0,0 0,-15.875 -18,-15.875 -18,0

## Keep-outs
Keep-Out Layer:
  lines w0.1: -20.775,-20.475 -20.775,-20.475 ; -20.775,-20.475 -14.9,-20.475 -2.875,-20.475 ccw(c-2.875,-17.475) 0.125,-17.475 0.125,-3.07 ccw(c-2.875,-3.07) -2.875,-0.07 -29.525,-0.07 ccw(c-29.525,-3.07) -32.525,-3.07 -32.525,-17.475 ccw(c-29.525,-17.475) -29.525,-20.475 -20.775,-20.475

## Other copper
Top Layer:
  pour cut-out: -18.85,-13.545 -16.55,-13.545 -16.55,-8.37 -16.525,-8.345 -16.593,-8.277 -18.85,-8.277

## Silkscreen, mask and mechanical layers (free items; w line width, h text height)
Top Overlay:
  lines w0.3: -10.35,-13.32 -10.35,-15.12 -12.85,-15.12 ; -10.15,-19.92 -3.95,-19.92 -3.95,-18.72 -12.85,-18.72 -12.85,-17.52 -3.95,-17.52 -3.95,-16.32 -12.85,-16.32 -12.85,-15.12 ; -12.85,-15.12 -12.85,-15.12
  text "SCIENCE / ROCK" at -24.168,-6.95 h1.2
Bottom Overlay:
  text "-" at -24.175,-16.97 h1.4
  text "SCIENCE / ROCK" at -2.445,-19.45 h1.52
  text "+" at -24.3,-19.945 h1.4